# Altium PCB Bottom Board_PCB.PcbDoc (part 3 of 3)
Units mm, origin at the board's own origin, x right, y up, seen from the top; angles counter-clockwise.
Board outline 139 x 80 mm, 4 copper layers (Top Layer, GND, VCC, Bottom Layer), stack 1.623 mm thick; 134 components, 163 nets, 746 pads, 269 vias.
Unrouted connection lines stored in the file: 127.
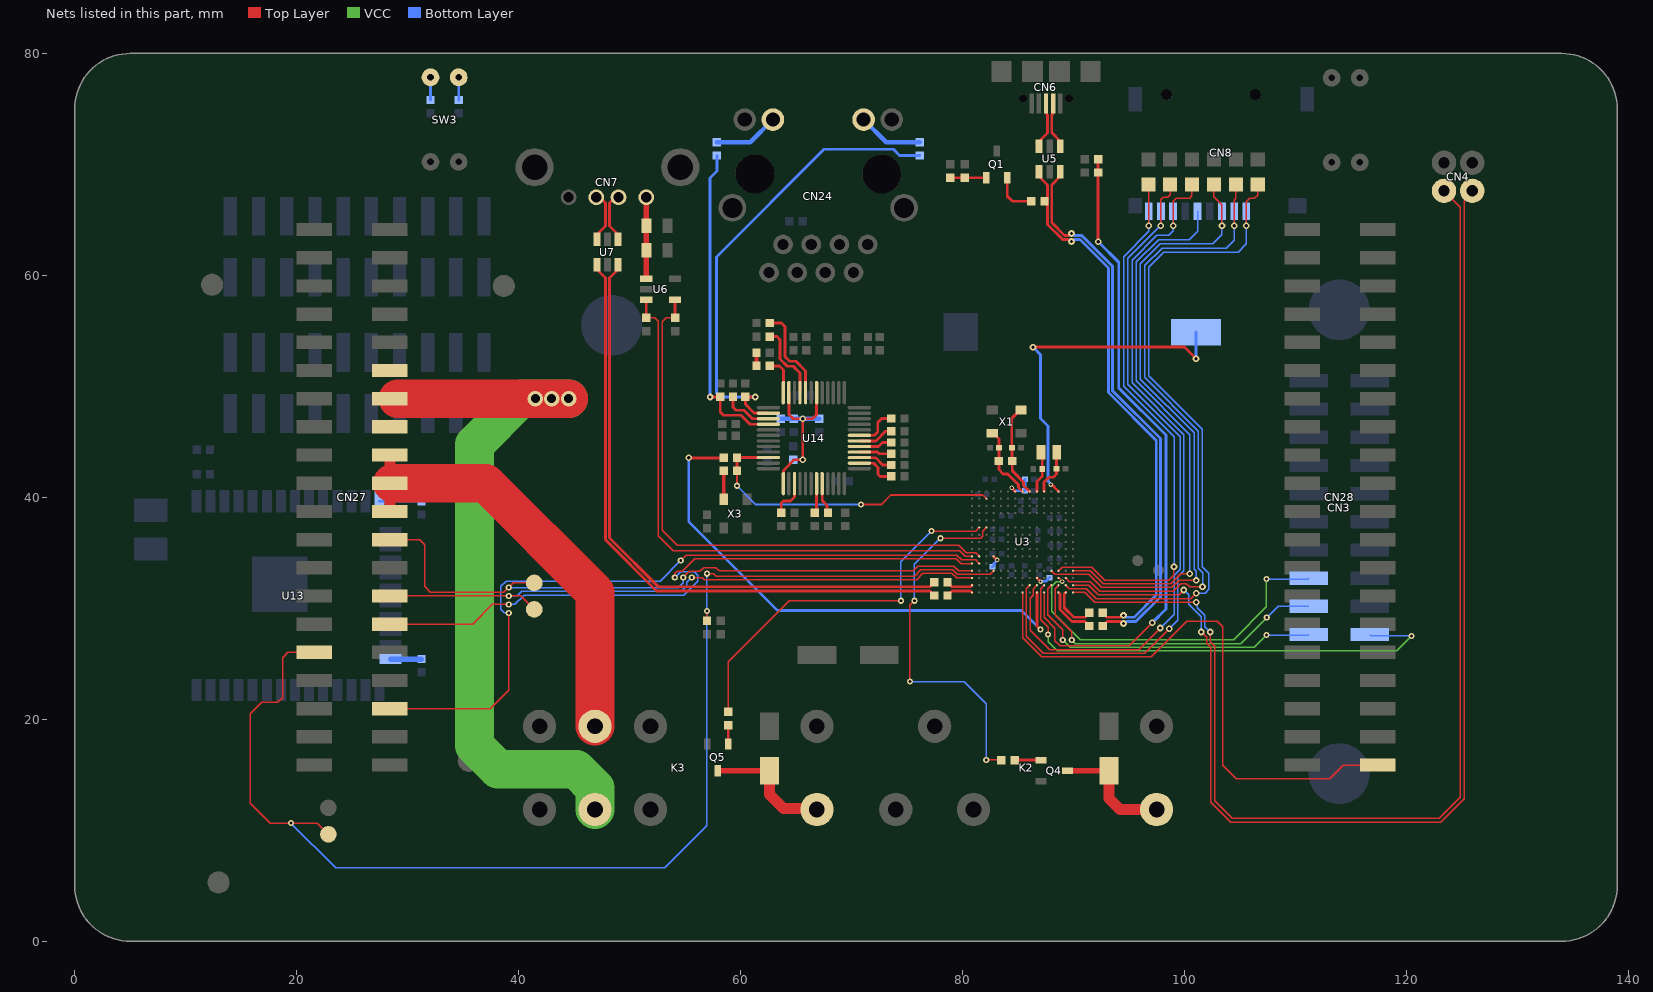
[diagram p5: the nets of this part, all layers, seen from the top]

## Via types
v1: diameter 0.559, hole 0.254, Top Layer to Bottom Layer, tented both sides, 104 vias
v2: diameter 0.6, hole 0.3, Top Layer to Bottom Layer, tented both sides, 55 vias
v3: diameter 1, hole 0.5, Top Layer to Bottom Layer, tented both sides, 50 vias
v4: diameter 0.406, hole 0.203, Top Layer to Bottom Layer, tented both sides, 48 vias
v5: diameter 1.4, hole 0.8, Top Layer to Bottom Layer, tented both sides, 12 vias

## Nets (pads, with @x,y where several pads share a name; then routed paths per layer and width w, separated by ;. In a path a pad name is that pad's centre, name@x,y a point inside that pad or via, vN(x,y) a via of type N, cw(c..) or ccw(c..) an arc to the next point about the centre after c; other vN are vias at no path point) (continued)
I2C3_SDA: CN27.16 R9.2 TP4.1 U3.M12 | length 117.3
  Top Layer w0.127: CN27.16@21.6,26.03 19.197,26.03 18.72,25.552 18.72,21.946 18.313,21.539 16.866,21.539 15.824,20.498 15.824,12.446 17.628,10.643 v1(19.482,10.643) 21.844,10.643 TP4.1@22.86,9.627 ; R9.2@56.972,28.87 v1(56.972,29.769) ; v1(56.972,33.122) 57.594,33.122 57.81,32.906 75.677,32.906 76.218,33.477 79.121,33.477 79.542,33.056 82.481,33.056 U3.M12@82.806,33.381
  Bottom Layer w0.127: v1(19.482,10.643) 23.52,6.604 53.162,6.604 56.972,10.414 v1(56.972,29.769) v1(56.972,33.122)
INT_VCNL4200_BOT: CN27.23 U3.P11 | length 65.8
  Top Layer w0.127: CN27.23@28.4,20.95 37.435,20.95 39.116,22.631 v1(39.116,29.586) ; v1(54.61,34.315) 55.093,34.798 79.502,34.798 79.944,34.356 81.181,34.356 U3.P11@81.506,34.031
  Bottom Layer w0.127: v1@39.091,29.591 38.71,29.591 38.405,29.896 38.405,31.979 38.871,32.445 52.74,32.445 v1(54.61,34.315)
INT_VEML6030_BOT: CN28.21 U3.H15 | length 51.8
  Top Layer w0.127: U3.H15@85.406,31.431 85.406,27.345 87.122,25.629 97.028,25.629 100.228,28.829 102.959,28.829 103.442,28.346 103.442,15.837 104.648,14.63 113.081,14.63 114.32,15.87 CN28.21@117.4,15.87
LED_ACT: R59.2 R76.1 U14.26 | length 42.4
  Top Layer w0.254: v2(61.316,49.047) 61.314,49.049 60.434,49.049 R76.1@60.432,49.051 60.432,48.381 61.222,47.591 62.496,47.591 U14.26@62.504,47.583
  Bottom Layer w0.254: v2(61.316,49.047) 58.217,49.047 57.836,49.428 57.836,61.671 67.539,71.374 73.762,71.374 74.336,70.799 R59.2@76.149,70.799
LED_LINK: R74.1 R77.2 U14.28 | length 29.1
  Top Layer w0.254: v2(57.252,49.047) 57.253,49.049 R74.1@58.172,49.051 R74.1@58.172,49.051 58.172,47.701 58.476,47.396 60.046,47.396 60.859,46.583 U14.28@62.504,46.583
  Bottom Layer w0.254: v2(57.252,49.047) 57.252,68.783 57.861,69.393 R77.2@57.861,70.799
MCO: R85.1 U3.F15 | length 48.1
  Top Layer w0.254: v2(55.321,43.555) R85.1@58.48,43.555 ; U3.F15@86.706,31.431 86.706,28.407 v1(87.02,28.092)
  Bottom Layer w0.254: v2(55.321,43.555) 55.321,37.807 63.334,29.794 85.319,29.794 v1(87.02,28.092)
NetC26_2: C26.2 U3.F13 | length 1.4
  Top Layer w0.254: U3.F13@86.706,32.731 v4(87.031,32.406)
  Bottom Layer w0.254: v4(87.031,32.406) 87.06,32.435 87.515,32.435 C26.2@87.844,32.764
NetC27_2: C27.2 U3.M10 | length 1.2
  Top Layer w0.254: U3.M10@82.806,34.681 v4(83.131,34.356)
  Bottom Layer w0.254: C27.2@82.708,33.744 82.835,33.871 82.835,34.029 83.131,34.325 v4(83.131,34.356)
NetC42_2: C42.2 C43.2 CN7.1 U6.1 | length 7.3
  Top Layer w0.5: U6.1@51.5,59.7 C42.2@51.5,62.255 C43.2@51.5,64.465 CN7.1@51.5,67.035
NetC69_2: C69.2 C70.2 C71.2 C72.2 U14.18 U14.23 U14.37 | length 18.2
  Top Layer w0.254: U14.37@63.854,41.233 63.863,41.241 63.863,42.426 64.821,43.383 v2(65.608,43.383) ; U14.23@64.354,49.433 64.354,47.475 64.748,47.082 v2(65.608,47.082) ; v2@65.591,43.366 v2(65.608,43.383) ; U14.18@66.854,49.433 66.854,47.439 66.497,47.082 v2(65.608,47.082) ; v2(65.608,43.383) v2(65.608,47.082)
  Bottom Layer w0.254: C70.2@64.745,43.393 64.749,43.388 65.603,43.388 v2(65.608,43.383)
  Bottom Layer w0.4: C71.2@63.607,47.082 C72.2@64.795,47.082 v2(65.608,47.082) C69.2@67.081,47.082
NetCN2_1: CN2.1 U3.C1 | length 31.5
  Top Layer w0.254: v2(86.352,53.533) 100.004,53.533 v2(101.035,52.502) ; v4(87.961,41.148) 88.039,41.148 U3.C1@88.656,40.531
  Bottom Layer w0.254: v2(86.352,53.533) 87.031,52.854 87.031,47.107 87.706,46.431 87.706,41.444 87.961,41.189 v4(87.961,41.148) ; v2(101.035,52.502) CN2.1@101.035,54.889
NetCN24_10: CN24.10 R59.1 | length 5.9
  Bottom Layer w0.4: CN24.10@71.085,74.041 73.127,71.999 R59.1@76.149,71.999
NetCN24_11: CN24.11 R77.1 | length 5.9
  Bottom Layer w0.4: R77.1@57.861,71.999 60.873,71.999 CN24.11@62.915,74.041
NetD4_1: D4.1 K2.5 Q4.3 | length 10.9
  Top Layer w0.5: Q4.3@89.465,15.368 D4.1@93.193,15.368
  Top Layer w1: D4.1@93.193,15.368 93.193,12.858 94.183,11.868 K2.5@97.49,11.868
NetD5_1: D5.1 K3.8 Q5.3 | length 11.6
  Top Layer w0.5: Q5.3@57.937,15.368 D5.1@62.611,15.368
  Top Layer w1: D5.1@62.611,15.368 62.611,13.233 63.881,11.963 66.786,11.963 K3.8@66.881,11.868
NetQ1_1: Q1.1 R21.1 R22.2 | length 3.2
  Top Layer w0.254: R22.2@78.892,68.802 R21.1@80.188,68.802 Q1.1@82.133,68.802
NetQ1_2: Q1.2 R25.2 | length 4
  Top Layer w0.254: Q1.2@84.033,68.802 84.033,67.132 84.491,66.675 R25.2@86.192,66.675
NetQ4_1: Q4.1 R86.2 | length 2.4
  Top Layer w0.254: R86.2@84.699,16.318 Q4.1@87.065,16.318
NetQ5_1: Q5.1 R87.2 | length 1.7
  Top Layer w0.254: Q5.1@58.887,17.761 R87.2@58.887,19.466
NetR54_2: R54.2 SW3.1 | length 2
  Bottom Layer w0.254: R54.2@34.595,75.809 SW3.1@34.595,77.851
NetR55_2: R55.2 SW3.2 | length 2
  Bottom Layer w0.254: R55.2@32.055,75.809 SW3.2@32.055,77.851
NetR56_1: R56.1 U13.24 | length 2.8
  Bottom Layer w0.5: U13.24@28.465,25.426 R56.1@31.242,25.426
NetR57_1: R57.1 U13.14 | length 3.8
  Bottom Layer w0.254: U13.14@27.465,39.646 R57.1@31.242,39.646
NetR65_2: R65.2 U14.2 | length 3.7
  Top Layer w0.254: U14.2@70.704,43.083 70.713,43.074 72.005,43.074 72.39,42.689 72.39,42.067 72.568,41.889 R65.2@73.574,41.889
NetR66_2: R66.2 U14.3 | length 3.1
  Top Layer w0.254: U14.3@70.704,43.583 70.713,43.574 72.149,43.574 72.818,42.905 R66.2@73.574,42.905
NetR67_2: R67.2 U14.4 | length 2.9
  Top Layer w0.254: U14.4@70.704,44.083 72.33,44.083 72.492,43.921 R67.2@73.574,43.921
NetR68_2: R68.2 U14.5 | length 3
  Top Layer w0.254: U14.5@70.704,44.583 72.442,44.583 72.796,44.937 R68.2@73.574,44.937
NetR69_2: R69.2 U14.6 | length 3.2
  Top Layer w0.254: U14.6@70.704,45.083 72.206,45.083 73.072,45.949 73.569,45.949 R69.2@73.574,45.953
NetR70_2: R70.2 U14.43 | length 2.7
  Top Layer w0.254: R70.2@66.681,38.617 66.846,38.782 66.846,41.224 U14.43@66.854,41.233
NetR71_2: R71.2 U14.44 | length 2.8
  Top Layer w0.254: U14.44@67.354,41.233 67.354,39.707 67.793,39.268 67.793,38.699 R71.2@67.874,38.617
NetR72_2: R72.2 U14.39 | length 3.5
  Top Layer w0.254: R72.2@63.658,38.617 63.658,39.472 63.861,39.675 64.491,39.675 64.846,40.03 64.846,41.224 U14.39@64.854,41.233
NetR75_1: R75.1 U14.27 | length 4.6
  Top Layer w0.254: R75.1@59.315,49.051 59.315,48.114 59.578,47.85 60.303,47.85 61.071,47.083 U14.27@62.504,47.083
NetR79_1: R79.1 U14.21 | length 6.9
  Top Layer w0.254: R79.1@62.632,54.483 63.271,54.483 63.551,54.204 63.551,52.476 64.211,51.816 64.745,51.816 65.346,51.215 65.346,49.441 U14.21@65.354,49.433
NetR80_2: R80.2 U14.7 | length 4
  Top Layer w0.254: U14.7@70.704,45.583 70.713,45.591 72.058,45.591 72.365,45.898 72.365,46.755 72.72,47.111 R80.2@73.574,47.111
NetR81_1: R81.1 U14.20 | length 8.6
  Top Layer w0.254: R81.1@62.627,55.702 63.678,55.702 64.005,55.375 64.005,52.664 64.399,52.27 64.976,52.27 65.854,51.392 U14.20@65.854,49.433
NetR82_2: R82.2 R83.1 | length 1.2
  Top Layer w0.4: R83.1@61.432,51.86 R82.2@61.432,53.029
NetR83_2: R83.2 U14.24 | length 3.4
  Top Layer w0.254: R83.2@62.632,51.86 62.662,51.831 63.5,51.831 63.854,51.476 U14.24@63.854,49.433
NetR84_1: R84.1 X3.3 | length 2.6
  Top Layer w0.305: X3.3@58.48,39.824 R84.1@58.48,42.393
NRST: C25.2 R11.1 U3.J1 | length 2.8
  Top Layer w0.254: v4(84.431,40.856) U3.J1@84.756,40.531
  Bottom Layer w0.254: v4(84.431,40.856) 84.699,40.587 C25.2@85.634,40.587 R11.1@85.634,41.629
OSC32_IN: C29.2 U3.E1 X2.1 | length 4.2
  Top Layer w0.254: U3.E1@87.356,40.531 87.356,41.382 87.782,41.808 88.189,41.808 88.473,42.093 C29.2@88.473,42.584 88.473,44.043 X2.1@88.488,44.057
OSC32_OUT: C30.2 U3.F1 X2.2 | length 3.8
  Top Layer w0.254: U3.F1@86.706,40.531 86.706,41.418 87.178,41.89 C30.2@87.178,42.558 87.178,43.966 X2.2@87.088,44.057
OSC_IN: C28.1 R12.2 U3.G1 X1.1 | length 8.2
  Top Layer w0.254: C28.1@84.431,44.653 84.431,47.129 85.178,47.875 X1.1@85.278,47.875 ; C28.1@84.46,44.463 84.468,44.455 84.468,43.277 R12.2@84.476,43.269 84.476,42.397 85.509,41.364 85.509,41.078 U3.G1@86.056,40.531
OSC_OUT: C31.1 R12.1 U3.H1 X1.3 | length 6.7
  Top Layer w0.254: X1.3@82.678,45.775 82.778,45.775 83.284,45.269 C31.1@83.284,44.463 83.28,44.459 83.28,43.273 R12.1@83.276,43.269 83.276,42.494 83.657,42.113 84.074,42.113 85.055,41.133 85.055,40.882 U3.H1@85.406,40.531
RESET_MB_BOT: CN27.26 U3.R11 | length 60.2
  Top Layer w0.127: CN27.26@28.4,28.57 35.86,28.57 37.638,30.348 v1(39.116,30.348) ; v1@54.077,32.791 54.077,33.147 54.28,33.35 54.737,33.35 55.855,34.468 79.435,34.468 79.872,34.031 U3.R11@80.856,34.031
  Bottom Layer w0.127: v1(39.116,30.348) 39.67,30.348 40.513,31.191 54.889,31.191 56.143,32.445 56.143,32.991 55.825,33.309 54.614,33.309 54.077,32.772 v1(54.077,32.766)
RMII_REF_CLK: R84.2 R85.2 U3.N2 U14.34 | length 29
  Top Layer w0.152: v1(59.68,41.046) R84.2@59.68,42.393 ; v1(70.841,39.345) 72.669,39.345 73.528,40.203 81.834,40.203 U3.N2@82.156,39.881
  Top Layer w0.254: R85.2@59.706,43.58 U14.34@62.502,43.58
  Top Layer w0.305: R84.2@59.68,42.393 R85.2@59.68,43.555 R85.2@59.706,43.58
  Bottom Layer w0.152: v1(59.68,41.046) 61.382,39.345 v1(70.841,39.345)
SPI2_MISO: CN3.2 U3.C14 | length 28.6
  Top Layer w0.127: U3.C14@88.656,32.081 88.345,31.77 88.345,31.243 88.346,31.242 88.346,29.357 89.84,27.864 v1(89.84,27.153)
  VCC w0.127: v1(89.84,27.153) 90.173,26.819 105.081,26.819 v1(107.419,29.157)
  Bottom Layer w0.127: v1(107.419,29.157) 108.437,30.175 CN3.2@111.194,30.175
SPI2_MOSI: CN3.3 U3.C13 | length 31.8
  Top Layer w0.127: U3.C13@88.656,32.731 v4(88.981,32.406)
  VCC w0.127: v4(88.981,32.406) 88.464,32.406 88.062,32.004 88.062,29.743 90.627,27.178 104.445,27.178 107.391,30.124 v1(107.391,32.639)
  Bottom Layer w0.127: v1(107.391,32.639) 111.118,32.639 CN3.3@111.194,32.715
SPI2_NSS: CN3.20 U3.E14 | length 43
  Top Layer w0.127: U3.E14@87.356,32.081 87.031,31.756 87.031,28.971 87.706,28.296 v1(87.706,27.635)
  VCC w0.127: v1(87.706,27.635) 87.706,27 88.544,26.162 119.126,26.162 v1(120.472,27.508)
  Bottom Layer w0.127: CN3.20@116.694,27.635 116.821,27.508 v1(120.472,27.508)
SPI2_SCK: CN3.1 U3.D14 | length 28.5
  Top Layer w0.127: U3.D14@88.006,32.081 87.681,31.756 87.681,29.413 89.027,28.067 v1(89.027,27.153)
  VCC w0.127: v1(89.027,27.153) 89.687,26.492 106.299,26.492 v1(107.391,27.584)
  Bottom Layer w0.127: v1(107.391,27.584) 111.144,27.584 CN3.1@111.194,27.635
SWCLK: CN4.2 U3.A14 | length 110.2
  Top Layer w0.127: U3.A14@89.956,32.081 91.363,32.081 92.227,31.217 99.517,31.217 v2(99.949,31.648) ; v2(101.524,27.864) 102.01,27.378 102.01,26.845 102.362,26.492 102.362,12.524 104.167,10.719 123.114,10.719 125.222,12.827 125.222,66.7 125.933,67.412 CN4.2@125.933,67.615
  Bottom Layer w0.127: v2(99.949,31.648) 100.39,31.208 100.39,30.373 101.524,29.239 v2(101.524,27.864)
SWDIO: CN4.1 U3.A15 | length 108.9
  Top Layer w0.127: U3.A15@89.956,31.431 90.997,31.431 91.897,30.531 v2(101.067,30.531) ; v2(102.337,27.864) 102.337,26.98 102.718,26.599 102.718,12.671 104.315,11.074 122.967,11.074 124.866,12.974 124.866,66.142 CN4.1@123.393,67.615
  Bottom Layer w0.127: v2(101.067,30.531) 101.157,30.44 101.157,30.068 101.851,29.374 101.851,28.35 v2(102.337,27.864)
TEC_A_BOT: CN27.30 CN27.31 CN27.32 K3.3 | length 39.5
  Top Layer w1: CN27.30@28.4,38.73 CN27.31@28.4,41.27 CN27.32@28.4,43.81
  Top Layer w3.5: CN27.31@28.626,41.27 37.038,41.27 46.881,31.427 K3.3@46.881,19.368
TEC_B_BOT: CN27.33 CN27.34 CN27.35 K3.6 | length 67.1
  Top Layer w3.5: CN27.34@29.134,48.89 v5(41.504,48.89) v5(42.977,48.89) v5(44.506,48.89)
  VCC w3.5: v5(44.506,48.89) v5(42.977,48.89) v5(41.504,48.89) 40.152,48.89 36.017,44.755 36.017,17.628 38.151,15.494 45.187,15.494 46.881,13.799 K3.6@46.881,11.868
TEC_CUR_DIR: R87.1 U3.P6 | length 34.2
  Top Layer w0.127: R87.1@58.887,20.666 58.887,25.182 64.389,30.683 v1(74.447,30.683) ; v1(77.197,36.957) 81.182,36.957 U3.P6@81.506,37.281
  Bottom Layer w0.127: v1(74.447,30.683) 74.447,34.208 v1(77.197,36.957)
TEC_ON/OFF: R86.1 U3.N6 | length 33
  Top Layer w0.127: v1(75.26,23.393) 75.26,30.277 v1(75.667,30.683) ; v1(78.003,36.306) 81.645,36.306 81.831,36.492 81.831,36.956 U3.N6@82.156,37.281 ; v1(82.144,16.332) 83.485,16.332 R86.1@83.499,16.318
  Bottom Layer w0.127: v1(75.26,23.393) 80.137,23.393 82.144,21.387 v1(82.144,16.332) ; v1(75.667,30.683) 75.667,33.969 v1(78.003,36.306)
USART1_RX_BOT: CN27.27 TP2.1 U3.R13 | length 56.6
  Top Layer w0.127: CN27.27@28.4,31.11 v1(39.116,31.11) 40.188,31.11 TP2.1@41.402,29.896 ; v1(55.601,32.766) 56.56,32.766 56.747,32.579 75.891,32.579 76.429,33.147 79.045,33.147 79.461,32.731 U3.R13@80.856,32.731
  Bottom Layer w0.127: v1(39.116,31.11) 39.86,31.11 40.284,31.534 54.648,31.534 55.166,32.052 55.166,32.325 55.601,32.76 v1(55.601,32.766)
USART1_TX_BOT: CN27.29 TP1.1 U3.R12 | length 60.6
  Top Layer w0.127: CN27.29@28.4,36.19 31.069,36.19 31.521,35.738 31.521,31.979 32.055,31.445 38.659,31.445 v1@39.091,31.877 ; v1(39.116,31.872) 39.527,32.283 TP1.1@41.402,32.283 ; v1@54.94,32.893 55.372,33.325 56.342,33.325 56.682,33.664 57.781,33.664 58.064,33.381 75.55,33.381 75.946,33.807 79.223,33.807 79.649,33.381 U3.R12@80.856,33.381
  Bottom Layer w0.127: v1(39.116,31.872) 54.387,31.872 54.839,32.323 v1(54.839,32.766)
USB_OVRCUR: R28.2 U3.R10 U6.3 | length 51.2
  Top Layer w0.127: R28.2@51.5,56.175 52.257,56.175 52.585,55.848 52.585,36.525 53.931,35.179 79.731,35.179 80.229,34.681 U3.R10@80.856,34.681
  Top Layer w0.254: R28.2@51.5,56.175 U6.3@51.5,57.8
USB_PWR_EN: R29.2 U3.P10 U6.4 | length 51.2
  Top Layer w0.127: R29.2@54.1,56.175 53.305,56.175 52.959,55.829 52.959,37.033 54.305,35.687 79.654,35.687 80.336,35.006 81.181,35.006 U3.P10@81.506,34.681
  Top Layer w0.254: R29.2@54.1,56.175 U6.4@54.1,57.8
USBFS_D_A_N: CN6.2 U5.1 | length 4.2
  Top Layer w0.254: CN6.2@88.172,75.484 88.099,75.411 88.099,74.499 88.038,74.437 88.038,72.871 88.797,72.112 U5.1@88.797,71.639
USBFS_D_A_P: CN6.3 U5.3 | length 4
  Top Layer w0.254: U5.3@86.897,71.639 U5.3@86.897,71.939 ; U5.3@86.995,72.161 87.657,72.823 87.657,74.437 87.595,74.499 87.595,75.411 CN6.3@87.522,75.484
USBFS_D_N: R26.1 U3.C15 | length 4.9
  Top Layer w0.254: U3.C15@88.656,31.431 88.79,31.296 88.79,29.89 89.877,28.804 91.037,28.804 91.186,28.655 91.186,28.645 R26.1@91.434,28.397
USBFS_D_P: R27.1 U3.B15 | length 4.2
  Top Layer w0.254: U3.B15@89.306,31.431 89.171,31.296 89.171,30.048 90.034,29.185 91.037,29.185 91.186,29.333 91.186,29.343 R27.1@91.434,29.591
USBFS_D_R_N: R26.2 U5.6 | length 50.2
  Top Layer w0.254: U5.6@88.797,69.339 88.797,68.909 88.037,68.149 88.037,64.757 89.187,63.606 89.548,63.606 89.721,63.779 v2(89.814,63.779) ; R26.2@92.634,28.397 92.882,28.645 92.882,28.655 93.031,28.804 94.247,28.804 94.42,28.631 v2(94.513,28.631)
  Bottom Layer w0.254: v2(89.814,63.779) 89.908,63.779 90.081,63.606 90.739,63.606 93.523,60.822 93.523,49.606 97.841,45.288 97.841,31.033 95.611,28.804 94.78,28.804 94.607,28.631 v2(94.513,28.631)
USBFS_D_R_P: R25.1 R27.2 U5.4 | length 49.6
  Top Layer w0.254: U5.4@86.897,69.339 86.897,68.907 87.656,68.147 87.656,64.599 89.03,63.225 89.548,63.225 89.721,63.052 v2(89.814,63.052) ; R27.2@92.634,29.591 92.882,29.343 92.882,29.333 93.031,29.185 94.247,29.185 94.42,29.358 v2(94.513,29.358)
  Bottom Layer w0.254: v2(89.814,63.052) 89.908,63.052 90.081,63.225 90.581,63.225 93.142,60.665 93.142,49.448 97.46,45.13 97.46,31.191 95.453,29.185 94.78,29.185 94.607,29.358 v2(94.513,29.358)
USBFS_VBUS: R23.1 R24.2 U3.E15 | length 59.4
  Top Layer w0.127: U3.E15@87.356,31.431 87.356,29.179 88.321,28.214 88.321,27.09 88.802,26.61 95.012,26.61 v2(97.104,28.702)
  Top Layer w0.254: v2(92.218,63.043) R24.2@92.218,69.266 R23.1@92.218,70.46
  Bottom Layer w0.254: v2(92.218,63.043) 94.082,61.179 94.082,49.86 98.323,45.618 98.323,29.921 v2(97.104,28.702)
USBHS_D_A_N: CN7.2 U7.1 | length 4.2
  Top Layer w0.254: CN7.2@48.717,67.035 48.197,66.514 48.197,64.453 U7.1@48.956,63.693 ; U7.1@48.956,63.253 U7.1@48.956,63.553
USBHS_D_A_P: CN7.3 U7.3 | length 4.5
  Top Layer w0.254: U7.3@47.056,63.253 47.056,63.693 47.816,64.453 47.816,66.518 47.32,67.013 CN7.3@47.32,67.208
USBHS_D_N: R30.1 U3.R14 | length 2.4
  Top Layer w0.254: R30.1@78.645,32.353 78.893,32.105 78.893,32.095 79.042,31.946 80.721,31.946 U3.R14@80.856,32.081
USBHS_D_P: R31.1 U3.R15 | length 2.4
  Top Layer w0.254: R31.1@78.645,31.159 78.893,31.407 78.893,31.417 79.042,31.565 80.721,31.565 U3.R15@80.856,31.431
USBHS_D_R_N: R30.2 U7.6 | length 56.2
  Top Layer w0.254: U7.6@48.956,60.953 48.956,60.538 48.197,59.779 48.197,36.335 52.585,31.946 77.048,31.946 77.197,32.095 77.197,32.105 R30.2@77.445,32.353
USBHS_D_R_P: R31.2 U7.4 | length 56.8
  Top Layer w0.254: U7.4@47.056,60.953 47.056,60.538 47.816,59.779 47.816,36.177 52.427,31.565 77.048,31.565 77.197,31.417 77.197,31.407 R31.2@77.445,31.159
uSD_CLK: CN8.5 U3.A12 | length 50
  Top Layer w0.127: U3.A12@89.956,33.381 91.501,33.381 92.674,32.207 98.745,32.207 99.659,33.122 v2(100.482,33.122)
  Bottom Layer w0.127: v2(100.482,33.122) 100.482,45.66 95.656,50.486 95.656,61.209 97.668,63.221 100.432,63.221 101.177,63.966 CN8.5@101.177,65.786
uSD_CMD: CN8.3 R34.1 U3.D12 | length 59.1
  Top Layer w0.127: U3.D12@88.006,33.381 88.331,33.056 91.353,33.056 92.532,31.877 98.877,31.877 99.539,32.539 101.04,32.539 v2(101.067,32.512) ; R34.1@102.652,68.174 102.652,67.097 103.378,66.37 v2@103.378,64.491
  Bottom Layer w0.127: v2(101.067,32.512) 101.067,33.334 100.863,33.538 100.863,45.818 96.037,50.644 96.037,61.051 97.826,62.84 102.54,62.84 103.377,63.677 CN8.3@103.377,65.786
  other v2: 103.378,64.481
uSD_D0: CN8.7 R33.1 U3.G14 | length 66.5
  Top Layer w0.127: U3.G14@86.056,32.081 85.725,31.75 85.725,31.574 85.733,31.566 85.733,27.48 87.257,25.956 96.415,25.956 v2(98.628,28.169) ; v2@98.977,64.491 98.977,66.668 99.263,66.954 100.457,66.954 100.675,67.173 R33.1@100.675,68.174
  Bottom Layer w0.127: v2(98.628,28.169) 99.386,28.926 99.386,32.823 99.95,33.388 99.95,45.653 95.275,50.328 95.275,61.366 97.511,63.602 98.577,63.602 98.977,64.001 v2(98.977,64.481) CN8.7@98.977,65.786
uSD_D1: CN8.8 R32.1 U3.F14 | length 63.3
  Top Layer w0.127: U3.F14@86.706,32.081 86.36,31.735 86.36,31.166 86.106,30.912 86.106,28.016 87.839,26.283 95.879,26.283 v2(97.815,28.219) ; v2@97.877,64.522 97.866,64.533 97.866,66.827 98.074,67.035 98.476,67.035 98.699,67.259 R32.1@98.699,68.174
  Bottom Layer w0.127: v2(97.815,28.219) 99.059,29.463 99.059,32.958 99.623,33.523 99.623,45.441 94.894,50.17 94.894,61.539 97.877,64.522 CN8.8@97.877,65.786
  other v2: 97.877,64.481
uSD_D2: CN8.1 R36.1 U3.B14 | length 62
  Top Layer w0.127: U3.B14@89.306,32.081 89.637,31.75 91.141,31.75 92.03,30.861 100.584,30.861 v2(101.067,31.344) ; v2@105.577,64.491 105.577,66.614 105.893,66.929 106.299,66.929 106.604,67.234 R36.1@106.604,68.174
  Bottom Layer w0.127: v2(101.067,31.344) 101.854,31.344 102.21,31.699 102.21,33.147 101.625,33.731 101.625,46.133 96.799,50.959 96.799,60.735 98.142,62.078 104.826,62.078 105.577,62.829 v2(105.577,64.481) CN8.1@105.577,65.786
uSD_D3: CN8.2 R35.1 U3.B13 | length 59.5
  Top Layer w0.127: U3.B13@89.306,32.731 89.626,32.41 91.516,32.41 92.38,31.547 99.009,31.547 99.674,32.212 100.182,32.212 100.467,31.928 v2(101.625,31.928) ; v2(104.478,64.481) 104.477,66.784 104.628,66.934 R35.1@104.628,68.174
  Bottom Layer w0.127: v2@101.651,32.131 101.651,33.213 101.244,33.619 101.244,45.976 96.418,50.802 96.418,60.893 97.984,62.459 103.759,62.459 104.477,63.177 v2(104.478,64.481) CN8.2@104.477,65.786
uSD_DETECT: CN8.9 R37.2 U3.C12 | length 50.5
  Top Layer w0.127: U3.C12@88.656,33.381 88.981,33.706 91.643,33.706 92.812,32.537 98.577,32.537 99.016,32.976 v2@99.016,33.757 ; R37.2@96.749,68.174 96.777,68.145 v2(96.777,64.481) v2@96.777,64.44
  Bottom Layer w0.127: CN8.9@96.777,65.786 v2(96.777,64.481) 96.777,63.96 94.513,61.697 94.513,50.013 99.06,45.466 v2(99.06,33.757)
pads on no net: CN6.4 CN6.MH1 CN6.MH2 CN8. CN23.17 CN24. K2.2 U3.A11 U3.A13 U3.B10 U3.B12 U3.C10 U3.D1 U3.D2 U3.D3 U3.D4 U3.D11 U3.D13 U3.D15 U3.E2 U3.E3 U3.E4 U3.E12 U3.E13 U3.F4 U3.G4 U3.G15 U3.H2 U3.H3 U3.H4 U3.H14 U3.J2 U3.J3 U3.J4 U3.K1 U3.K2 U3.K3 U3.K12 U3.K13 U3.L1 U3.L2 U3.L3 U3.L12 U3.L13 U3.M2 U3.M4 U3.M5 U3.M7 U3.M11 U3.M13 U3.N4 U3.N7 U3.N11 U3.N13 U3.P3 U3.P4 U3.P7 U3.P8 U3.P9 U3.P12 U3.P13 U3.R2 U3.R4 U3.R5 U3.R6 U3.R7 U3.R8 U3.R9 U13.32 U14.1 U14.8 U14.9 U14.10 U14.11 U14.12 U14.25 U14.33 U14.38 U14.41 U14.42 U14.45 U14.46 X3.1

## Polygon pours and split planes (outlines as drawn)
GND on Top Layer "TOP_POLY" (solid, remove dead copper, pour order 1): 0,5 0,75 cw(c5,75) 5,80 134,80 cw(c134,75) 139,75 139,5 cw(c134,5) 134,0 5,0 cw(c5,5)
GND on GND "L2_POLY" (solid, remove dead copper, pour order 10): 0,5 0,75 cw(c5,75) 5,80 134,80 cw(c134,75) 139,75 139,5 cw(c134,5) 134,0 5,0 cw(c5,5)
GND on Bottom Layer "BOT_POLY" (solid, remove dead copper, pour order 8): 0,5 ccw(c5,5) 5,0 134,0 ccw(c134,5) 139,5 139,75 ccw(c134,75) 134,80 5,80 ccw(c5,75) 0,75

## Keep-outs
Keep-Out Layer:
  lines w0.2: 0,5 ccw(c5,5) 5,0 134,0 ccw(c134,5) 139,5 139,75 ccw(c134,75) 134,80 5,80 ccw(c5,75) 0,75 0,5 ; 3.256,7.006 ccw(c5.006,7.006) 6.756,7.006 6.756,25.006 ccw(c5.006,25.006) 3.256,25.006 3.256,7.006 ; 3.256,45.006 ccw(c5.006,45.006) 6.756,45.006 6.756,73.006 ccw(c5.006,73.006) 3.256,73.006 3.256,45.006 ; 132.256,7.006 ccw(c134.006,7.006) 135.756,7.006 135.756,25.006 ccw(c134.006,25.006) 132.256,25.006 132.256,7.006 ; 132.256,45.006 ccw(c134.006,45.006) 135.756,45.006 135.756,73.006 ccw(c134.006,73.006) 132.256,73.006 132.256,45.006

## Other copper
Top Layer:
  pour cut-out: 9,38.049 15.817,38.049 15.821,24.246 9,24.246
  pour cut-out: 19.1,19.75 19.4,19.75 19.4,20.281 19.1,20.281
  pour cut-out: 38.229,29.7 38.3,29.6 38.3,29.357 38.5,29.157 38.5,27.9 35.7,27.9 35.7,28.092 36.192,28.092 37.8,29.7
  pour cut-out: 84.696,67.65 84.699,67.8 84.9,67.8 84.933,67.767 84.933,67.65 85.217,67.65 85.217,67.4 84.696,67.4
  pour cut-out: 85.997,67.615 85.997,68.139 87.02,68.139 87.02,67.615
  pour cut-out: 30.6,19.61 30.6,19.75 30.2,19.75 30.2,19.61
  pour cut-out: 26.2,19.75 26.2,19.61 26.618,19.61 26.618,19.75
  pour cut-out: 30.6,55.17 30.6,55.31 30.079,55.31 30.079,55.17
  pour cut-out: 26.2,55.31 26.2,55.17 26.721,55.17 26.721,55.31
  pour cut-out: 26.2,52.77 26.2,52.63 26.721,52.63 26.721,52.77
  pour cut-out: 30.6,45.01 30.6,45.15 30.079,45.15 30.079,45.01
  pour cut-out: 26.2,45.15 26.2,45.01 26.721,45.01 26.721,45.15
  pour cut-out: 26.2,37.53 26.2,37.39 26.721,37.39 26.721,37.53
  pour cut-out: 30.6,34.99 30.9,34.99 30.9,35.6 30.679,35.6 30.6,35.521
  pour cut-out: 30.6,32.31 30.9,32.31 30.9,31.7 30.679,31.7 30.6,31.779
  pour cut-out: 30.5,30.531 36.7,30.531 36.8,30.431 36.8,30.257 35.7,29.157 30.5,29.157 30.5,29.7 30.43,29.77 26.2,29.77 26.2,30 30.5,30
  pour cut-out: 11.5,41.046 11.5,38 13.9,38 13.9,38.3 13.8,38.3 11.6,40.5 11.6,40.9
  pour cut-out: 115.3,57.7 112.7,57.7 112.7,55.8 113.1,55.8 114.298,56.998 115.3,56.998
  pour cut-out: 116,60.4 113.7,60.4 114.4,61.1 115.4,61.1 115.4,60.6 116,60.6
  pour cut-out: 115.3,65.33 112.7,65.33 112.7,63.4 113,63.4 114.3,64.7 115.3,64.7
  pour cut-out: 119.6,63.1 119.6,62.7 115.3,62.7 115.3,62.2 114.1,62.2 113,61.1 112.7,61.1 112.7,62.2 113.1,62.2 113.2,62.3 113.5,62.3 114.7,63.5 115.3,63.5 115.3,63.1
  pour cut-out: 119.6,55.5 119.6,54.991 119.591,55 115.3,55 115.3,54.6 113.6,54.6 113.6,54.8 114.7,55.9 115.3,55.9 115.3,55.5
  pour cut-out: 112.8,47.8 112.8,47.4 108.5,47.4 108.5,46.9 102.097,46.9 101.797,46.6 101.6,46.6 101.6,47.7 102.2,48.3 108.5,48.3 108.5,47.8
  pour cut-out: 112.8,40.203 112.797,40.2 108.5,40.2 108.5,40.7 102.4,40.7 102.4,39.3 108.5,39.3 108.5,39.8 112.8,39.8
  pour cut-out: 112.8,32.6 108.5,32.6 108.2,32.6 108.2,32.4 108,32.2 108,32.181 107.8,31.981 107.8,31.7 108.5,31.7 108.5,32.2 112.8,32.2
  pour cut-out: 104.4,18.41 104.4,17.4 105.3,16.5 108.5,16.5 108.5,16.9 112.8,16.9 112.8,17.404 108.5,17.404 108.5,17.8 106.4,17.8 106.3,17.9 105.2,17.9 104.69,18.41
  pour cut-out: 104.7,20.8 104.7,19.868 105.768,18.8 108.5,18.8 108.5,19.4 112.8,19.4 112.8,19.904 108.5,19.904 108.5,20.4 106.3,20.4 106.2,20.5 105.4,20.5 105.1,20.8
  pour cut-out: 105.2,23.7 105.2,22.1 105.9,21.4 108.5,21.4 108.5,22 112.8,22 112.8,22.504 108.5,22.504 108.5,23 106.3,23 105.8,23.5 105.7,23.5 105.5,23.7
  pour cut-out: 80.856,40.531 89.956,40.531 89.956,31.431 80.856,31.431
  region net +5V0: 19.99,39.345 23.216,39.345 23.216,33.045 19.99,33.045
  region net +3V3: 26.797,19.025 30.023,19.025 30.023,15.265 26.797,15.265
  region net +12V0: 26.797,64.745 30.023,64.745 30.023,55.905 26.797,55.905
  region net TEC_B_BOT: 26.797,52.045 30.023,52.045 30.023,45.745 26.797,45.745
  region net TEC_A_BOT: 26.797,44.425 30.023,44.425 30.023,38.125 26.797,38.125
GND:
  pour cut-out: 9,40.107 15.392,40.107 15.392,22.581 9,22.581
Bottom Layer:
  pour cut-out: 108.77,30.688 108.121,30.688 107.812,30.378 107.798,30.378 107.188,29.769 107.086,29.769 107.086,31.64 107.163,31.716 107.552,32.106 108.999,32.106 109.093,32.012 109.093,31.699 113.544,31.699 113.544,31.267 109.349,31.267
  pour cut-out: 114.472,37.668 114.071,37.668 112.9,38.839 108.844,38.839 108.844,39.395 113.764,39.395 114.472,38.687
  pour cut-out: 114.427,40.386 114.04,40.386 113.024,41.402 108.844,41.402 108.844,41.834 113.843,41.834 114.427,41.25
  pour cut-out: 108.845,36.779 113.538,36.779 113.538,36.338 108.844,36.315
  pour cut-out: 119.044,46.475 118.505,46.475 118.505,47.033 119.045,47.035
  pour cut-out: 109.068,44.425 113.544,44.425 113.544,43.887 109.067,43.865
  pour cut-out: 114.345,46.965 114.884,46.965 114.884,46.407 114.344,46.404
  pour cut-out: 32.595,50.825 33.001,50.825 33.001,50.268 32.594,50.266
  pour cut-out: 12.828,50.902 13.513,50.902 13.513,49.709 12.826,49.706
  pour cut-out: 25.004,61.671 25.759,61.671 25.759,57.483 24.999,57.479
  pour cut-out: 25.074,67.679 25.828,67.679 25.828,62.996 25.832,62.992 25.068,62.992
  pour cut-out: 30.321,55.392 30.88,55.392 30.88,50.872 30.978,50.775 31.218,50.775 31.218,50.208 31.414,50.013 31.134,49.733 30.652,49.733 29.89,50.495 29.89,50.775 30.25,50.775 30.377,50.902
  pour cut-out: 27.781,55.392 28.34,55.392 28.34,50.872 28.438,50.775 28.678,50.775 28.678,50.208 28.874,50.013 28.594,49.733 28.112,49.733 27.35,50.495 27.35,50.775 27.71,50.775 27.837,50.902
  pour cut-out: 25.241,55.392 25.8,55.392 25.8,50.872 25.898,50.775 26.138,50.775 26.138,50.208 26.334,50.013 26.054,49.733 25.572,49.733 24.81,50.495 24.81,50.775 25.17,50.775 25.297,50.902
  pour cut-out: 22.701,55.392 23.26,55.392 23.26,50.872 23.358,50.775 23.598,50.775 23.598,50.208 23.794,50.013 23.514,49.733 23.032,49.733 22.27,50.495 22.27,50.775 22.63,50.775 22.757,50.902
  pour cut-out: 20.161,55.392 20.72,55.392 20.72,50.872 20.818,50.775 21.058,50.775 21.058,50.208 21.254,50.013 20.974,49.733 20.492,49.733 19.73,50.495 19.73,50.775 20.09,50.775 20.217,50.902
  pour cut-out: 17.63,55.392 18.189,55.392 18.189,50.872 18.286,50.775 18.527,50.775 18.527,50.208 18.722,50.013 18.443,49.733 17.96,49.733 17.198,50.495 17.198,50.775 17.559,50.775 17.686,50.902
  pour cut-out: 15.037,55.392 15.596,55.392 15.596,50.872 15.693,50.775 15.934,50.775 15.934,50.208 16.129,50.013 15.85,49.733 15.367,49.733 14.605,50.495 14.605,50.775 14.965,50.775 15.092,50.902
  pour cut-out: 9,38.049 15.734,38.049 15.738,24.246 9,24.246
  pour cut-out: 9.754,37.998
  region net +3V3: 114.935,51.105 118.466,51.105 118.466,47.346 114.935,47.346

## Silkscreen, mask and mechanical layers (free items; w line width, h text height)
Top Overlay:
  drawing of 20 lines, arcs and shapes, not listed
  text "USB Device" at 92.862,79.35 h1 r270
  text "10/100 ETH" at 75.514,79.273 h1 r270
  text "USB Host" at 55.601,79.172 h1 r270
  text "ESP Set" at 37.592,79.045 h1 r270
  text "MCU BOOT SEL" at 118.999,79.045 h1 r270
  text "BOOT1" at 108.081,78.969 h1 r270
  text "BOOT0" at 109.198,78.969 h1 r270
  text "LINK" at 127.864,74.092 h1 r270
  text "+3V3" at 124.104,63.652 h1 r180
  text "GND" at 128.041,63.652 h1 r180
  text "SWDIO" at 124.511,62.179 h1 r180
  text "SWCLK" at 128.702,62.179 h1 r180
  text "Boot mode" at 124.689,51.079 h1 r90
  text "Main Flash memory" at 126.035,51.054 h1 r90
  text "System memory" at 127.305,51.054 h1 r90
  text "Embedded SRAM" at 128.549,51.054 h1 r90
  text "ON" at 127.305,48.031 h1 r90
  text "ON" at 128.549,48.031 h1 r90
  text "OFF" at 126.035,47.854 h1 r90
  text "BOOT0" at 124.689,47.346 h1 r90
  text "X" at 126.035,44.374 h1 r90
  text "ON" at 128.549,44.069 h1 r90
  text "OFF" at 127.305,43.891 h1 r90
  text "BOOT1" at 124.689,43.409 h1 r90
  text "SW1" at 125.383,41.275 h1.02
  text "Innovative AI Technology" at 62.288,2.829 h2
Bottom Overlay:
  lines w0.2: 38.761,27.3 68.8,27.3 ; 38.792,24.489 38.792,39.3 68.802,39.3 68.802,24.489 38.792,24.489
  text "Micro SD" at 95.174,79.248 h1 r90
  text "+3V3" at 14.337,69.977 h1 r90
  text "IO22" at 16.881,69.762 h1 r90
  text "IO18" at 24.501,69.769 h1 r90
  text "IO17" at 27.041,69.768 h1 r90
  text "IO16" at 29.581,69.768 h1 r90
  text "RXD" at 19.421,69.723 h1 r90
  text "IO21" at 21.961,69.644 h1 r90
  text "IO4" at 32.458,68.061 h1
  text "GND" at 35.287,68.061 h1
  text "GND" at 37.827,68.061 h1
  text "+3V3" at 15.033,56.693 h1
  text "IO23" at 17.468,56.693 h1
  text "TXD" at 19.961,56.682 h1
  text "IO19" at 25.089,56.693 h1
  text "IO5" at 27.382,56.693 h1
  text "GND" at 30.207,56.693 h1
  text "GND" at 32.747,56.693 h1
  text "GND" at 35.287,56.693 h1
  text "GND" at 37.827,56.693 h1
  text "Backup BATT" at 110.109,56.185 h1
  text "SENS VN" at 15,55.626 h1
  text "IO35" at 17.471,55.626 h1
  text "IO33" at 20.008,55.626 h1
  text "IO26" at 22.548,55.626 h1
  text "IO14" at 25.087,55.626 h1
  text "SD2" at 27.546,55.626 h1
  text "CMD" at 30.233,55.626 h1
  text "SD0" at 32.629,55.626 h1
  text "GND" at 35.287,55.626 h1
  text "GND" at 37.827,55.626 h1
  text "+3V3" at 121.586,50.179 h1
  text "GND" at 108.534,50.175 h1
  text "+3V3" at 121.586,47.639 h1
  text "GND" at 108.534,47.635 h1
  text "PD15" at 121.694,45.099 h1
  text "PG7" at 108.534,45.095 h1
  text "SENS VP" at 14.341,44.958 h1 r90
  text "IO34" at 16.881,44.958 h1 r90
  text "IO32" at 19.421,44.958 h1 r90
  text "IO25" at 21.961,44.958 h1 r90
  text "IO27" at 24.501,44.958 h1 r90
  text "IO13" at 27.041,44.958 h1 r90
  text "SD3" at 29.581,44.958 h1 r90
  text "CLK" at 32.121,44.958 h1 r90
  text "SD1" at 34.661,44.958 h1 r90
  text "+3V3" at 37.197,44.958 h1 r90
  text "PG6" at 108.534,42.555 h1
  text "PD14" at 121.686,42.554 h1
  text "PD13" at 121.689,40.019 h1
  text "PG4" at 108.534,40.015 h1
  text "PG3" at 108.534,37.475 h1
  text "PD11" at 121.565,37.474 h1
  text "PD10" at 121.687,34.939 h1
  text "PG3" at 108.534,34.935 h1
  text "PD9" at 121.193,32.399 h1
  text "SPI2 MOSI" at 108.534,32.395 h1
  text "PD8" at 121.193,29.859 h1
  text "SPI2 MISO" at 108.534,29.855 h1
  text "SPI2 SCK" at 108.534,27.315 h1
  text "SPI2 CS" at 122.904,27.315 h1
  text "Production Inf:" at 49.126,26.4 h1.5 r180
Board Outline:
  lines w0.2: 0,5 ccw(c5,5) 5,0 134,0 ccw(c134,5) 139,5 139,75 ccw(c134,75) 134,80 5,80 ccw(c5,75) 0,75 0,5 ; 3.256,7.006 ccw(c5.006,7.006) 6.756,7.006 6.756,25.006 ccw(c5.006,25.006) 3.256,25.006 3.256,7.006 ; 3.256,45.006 ccw(c5.006,45.006) 6.756,45.006 6.756,73.006 ccw(c5.006,73.006) 3.256,73.006 3.256,45.006 ; 132.256,7.006 ccw(c134.006,7.006) 135.756,7.006 135.756,25.006 ccw(c134.006,25.006) 132.256,25.006 132.256,7.006 ; 132.256,45.006 ccw(c134.006,45.006) 135.756,45.006 135.756,73.006 ccw(c134.006,73.006) 132.256,73.006 132.256,45.006
  text "PCB Cutting Layer >> Board Outline" at 7.5,92.8 h4

## Dimensions
0,5 to 139,5 on Board Outline
5,80 to 5,0 on Board Outline

## Text inside footprints (layer, text, board x,y; h text height)
CN6: Mechanical 2 "PCB Edge" at 88.722,80.484 h0.41 r180
CN7: Mechanical 2 "PCB Edge" at 50.2,81.245 h0.81 r180
SW1: Mechanical 2 "PCB Edge" at 116.434,79.781 h1 r180
SW3: Mechanical 2 "PCB Edge" at 35.23,79.832 h1 r180